# KiCad board EEZ DIB DCP405plus.kicad_pcb (continued)
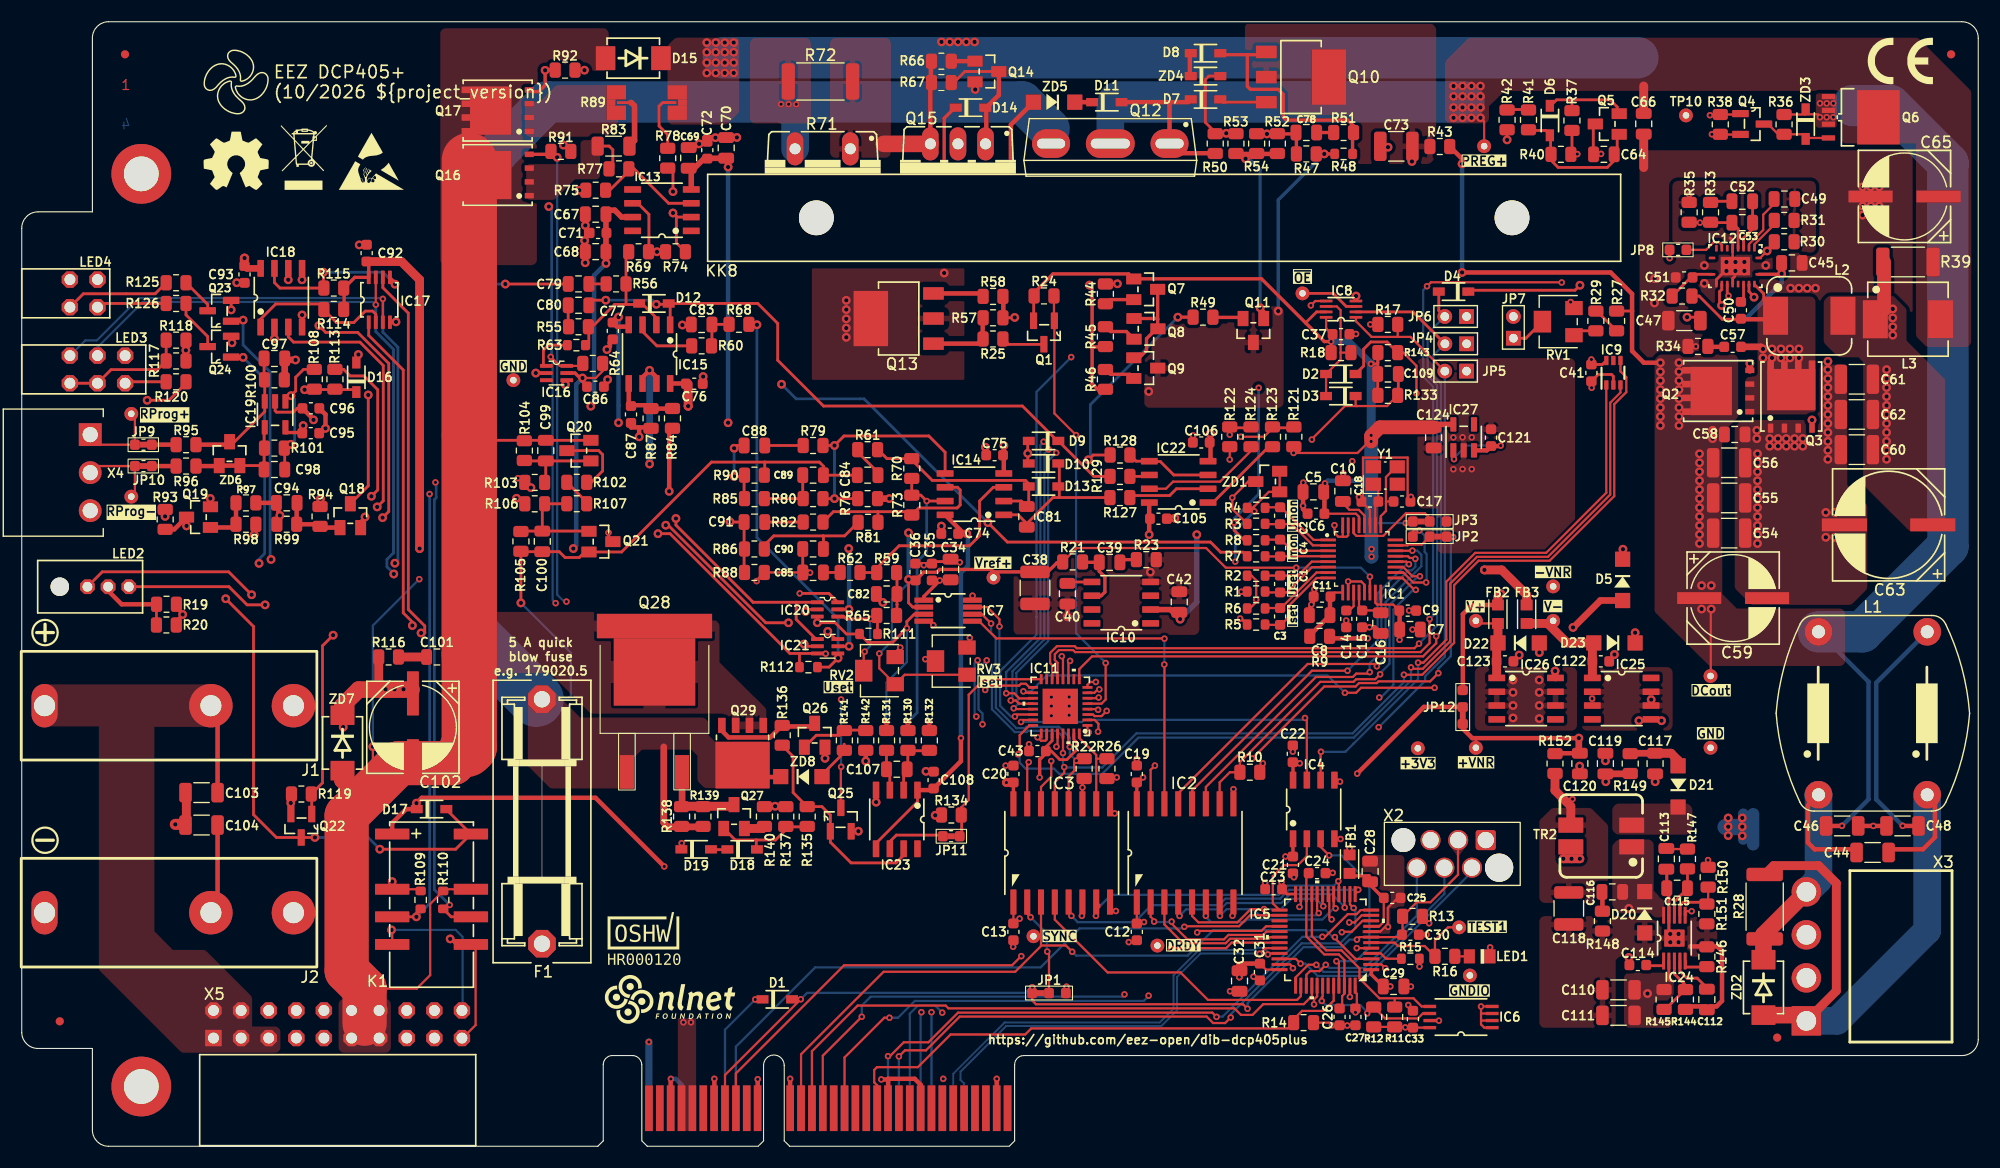
[diagram p0: board, top side]
## Routing (per net, layer and track width the routed paths; a pad name or vN(x,y) marks a point on that pad's centre or on a via; arc(x,y) is an arc through that point) (continued)
  Top w0.813: TR2.3 142.51,31.29 141.06,32.75 141.06,33.8
  In2.Cu w0.203: v2(142.67,31.95) 142.72,31.95 148.33,26.34 v2(155.14,26.34)
Net-(D6-PadC): length 8.3
  Top w0.254: 146.78,95.04 146.78,95.66 146.13,96.31 142.69,96.31 ; 142.69,96.31 141.19,96.31 140.59,95.71 ; 142.69,96.31 142.62,96.25 142.62,95.36
Net-(D7-PadA): length 4.3
  Top w0.254: D7.A 110.52,96.1 Q10.E
Net-(D8-PadA): length 22.3
  Top w0.254: 114.24,100.46 Q10.B
  Top w0.305: 112.75,100.45 112.74,100.46 110.36,100.46 ; 112.75,100.45 112.76,100.46 114.24,100.46 ; 112.75,100.45 112.75,97.56 113.03,97.28 115.6,97.28 116.05,96.82 116.05,94.73 116.34,94.45 121.99,94.45 122.52,93.91 R51.2 122.44,93.22 R48.1
Net-(D8-PadC): length 2
  Top w0.406: 107.46,100.46 107.46,98.5
Net-(D11-PadC): length 1.9
  Top w0.406: 96.55,96.1 D11.C
Net-(D14-PadC): length 28.6
  Top w0.305: v1(84.86,90.09) 84.86,94.62 85.84,95.59
  Top w0.406: ZD5.A 91,94.02 v1(91,90.09)
  In2.Cu w0.406: v1(84.86,80.37) v1(84.86,90.09) v1(91,90.09)
  vias: v1(75.86,77.86) v1(75.86,77.01) v1(75.86,76.16) v1(75.86,75.31) v1(75.86,74.45)
Net-(D18-PadA): length 9.6
  Top w0.254: 67.58,27.32 67.58,28.19 67.58,28.19 ; 67.58,28.19 65.64,28.19 Q27.B ; 67.58,28.19 69.35,28.19 70.3,29.14 70.3,29.4 72.26,29.4
Net-(D18-PadC): length 1.5
  Top w0.254: 63.49,27.3 64.96,27.3 64.98,27.32
Net-(F1-Pad2): length 0.7
  Bottom w0.254: 47.33,18.64 47.33,18.18 47.14,17.99
Net-(IC1-AVDD): length 5.7
  Top w0.203: IC1.9 120.78,50.96 C11.2
  Top w0.406: C11.2 120.36,50.55 C8.1 118.5,47.02 R9.2
Net-(IC1-CAP): length 3.4
  Top w0.203: IC1.28 123.53,58.05 123.01,58.58 122.15,58.58 121.54,59.18
Net-(IC1-M0): length 9.3
  Top w0.203: IC1.30 122.53,56.43 122.79,56.18 125.26,56.18 127.34,58.26 129.1,58.26 129.53,57.83 129.53,57.38
Net-(IC1-REFP): length 3.6
  Top w0.203: IC1.12 123.03,49.6 C15.2 124.81,49.32 C16.1
Net-(IC1-VNCP): length 1.8
  Top w0.203: 122.14,49.31 122.53,49.7 IC1.11
Net-(IC1-XTAL1/CLKIN): length 6.8
  Top w0.203: IC1.25 125.03,58 125.51,58.47 125.51,61.59 126.45,62.53 Y1.3 ; C17.2 125.51,59.34 ; 125.51,59.17 125.51,59.18
Net-(IC1-XTAL2): length 3.9
  Top w0.203: 124.8,59.17 124.53,58.9 IC1.26 ; C18.2 124.8,60.48 Y1.1
Net-(IC1-~{CS}): length 3.5
  Top w0.203: JP2.COM 128.8,55.38 127.58,55.38 127.51,55.31 IC1.23
Net-(IC1-~{DONE}): length 9.4
  Top w0.203: JP2.NO 127.98,56.58 128.08,56.68 v2(128.59,56.68) ; v2(129.2,51.89) 129.2,51.89 128.01,51.89 127.1,52.81 IC1.18
  Bottom w0.203: v2(129.2,51.89) 129.25,51.94 129.25,54.52 129.07,54.7 129.07,56.2 v2(128.59,56.68)
Net-(IC3-INA): length 9.2
  Top w0.203: JP1.COM 94.51,17.72 94.35,17.88 v2(94.35,17.92) ; v2(92.81,21.08) 92.5,21.39 IC3.2
  Bottom w0.203: v2(94.35,17.92) 94.3,17.97 94.3,19.59 v2(92.81,21.08)
Net-(IC5-PH1-OSC_OUT): length 10.6
  Top w0.203: IC5.6 126.3,18.74 126.61,18.43 129.07,18.43 R16.2 130.02,18.95 131.22,20.15 TP3.1
Net-(IC8A-~{CLR}): length 10.9
  Top w0.203: D3.A D2.A 121.34,72.42 121.34,73.05 ; 121.34,73.05 121.34,76.94 120.98,77.3 IC8.6 ; 121.34,73.05 R18.1
Net-(IC10-TRIM/NR): length 2.5
  Top w0.254: C40.1 96.33,51.94 98.69,51.94
Net-(IC10-VOUT): length 6.2
  Top w0.305: IC10.6 99.31,50.67 99.65,51.01 99.65,52.4 99.13,52.92 C39.1 ; 99.32,53.74 97.62,53.74 97.59,53.71 97.79,53.71
Net-(IC12-BST): length 1.6
  Top w0.254: IC12.17 158.41,78.16 158.16,77.79
Net-(IC12-COMP): length 4.7
  Top w0.254: IC12.4 158.41,83.6 159.24,84.43 C53.2 C52.2
Net-(IC12-ILIM): length 4.3
  Top w0.254: IC12.11 153.79,80.26 ; R32.1 153.55,79.97 C51.1
Net-(IC12-RT): length 3.3
  Top w0.203: R31.2 161.24,84.84 159.41,83.01 IC12.2
Net-(IC12-SS_TRK): length 5.5
  Top w0.203: C49.1 161.22,86.75 160.22,85.75 160.22,84.34 158.91,83.03 IC12.3
Net-(IC12-SYNCIN): length 4
  Top w0.203: JP8.2 154.96,82.51 155.66,83.21 156.15,83.21 156.41,82.96 IC12.8
Net-(IC13A-+IN): length 10.1
  Top w0.254: 53.75,87.99 54.09,87.99 55.89,89.79 55.89,89.96 56.34,89.96 59.51,86.79 IC13.3
Net-(IC13A--IN): length 10.5
  Top w0.254: 59.91,90.15 59.91,87.87 v1(59.91,87.87) ; 59.91,90.15 59.79,90.15 ; 59.91,90.15 59.66,90.15 59.66,90.15 ; IC13.2 60.29,85.52 v1(59.91,85.9) 60.22,85.59 60.22,83.16 R74.1
  In2.Cu w0.254: v1(59.91,85.9) v1(59.91,87.87)
Net-(IC14A-+IN): length 18.6
  Top w0.254: R62.2 77.13,52.8 R59.2 78.66,53.21 80.72,55.27 87.19,55.27 88.12,56.19 88.12,59.39 89.38,60.65 90.34,60.65 IC14.3
Net-(IC14A--IN): length 19.7
  Top w0.254: 78.77,64.12 79.36,63.53 79.6,63.29 R70.2 81.88,63.17 83.77,61.28 92.34,61.28 92.65,60.98 D13.C 92.65,59.07 C81.1 91.96,59.38 IC14.2 90.34,59.38
Net-(IC14B-+IN): length 22.1
  Top w0.254: 73.75,64.5 v1(74.77,64.5) 75.65,65.37 83.45,65.37 84.95,63.88 IC14.5 ; 76.87,59.61 76.87,59.61 v1(74.77,59.61) 73.75,59.61
  Bottom w0.254: v1(74.77,64.5) v1(74.77,59.61)
Net-(IC14B--IN): length 17.4
  Top w0.254: R81.1 78.77,58.38 78.75,58.41 ; 78.75,58.41 74.67,58.41 R82.2 ; 78.75,58.41 81.58,58.41 R73.2 82.53,58.74 86.06,58.74 86.34,59.02 86.34,60.4 86.08,60.65 IC14.6
Net-(IC15A-+IN): length 5.7
  Top w0.254: 61.6,73.67 58.43,73.67 57.11,74.99 57.11,75.6 IC15.3
Net-(IC15A--IN): length 15.1
  Top w0.254: 52.17,73.46 52.17,75.43 52.49,75.43 54.54,77.48 55.57,77.48 ; IC15.2 58.38,76.24 57.15,77.48 55.57,77.48 ; 55.57,77.48 55.59,77.5 R56.2 55.59,82.08 R69.2
Net-(IC15B-+IN): length 6
  Top w0.406: IC15.5 55.84,68.41 56.05,68.2 57.63,68.2 57.94,67.89 59.58,67.89 59.87,67.94
Net-(IC16-NO): length 3.6
  Top w0.254: 50,73.73 48.46,73.73 47.99,73.27 47.99,71.83 47.99,71.83
Net-(IC17A-I1): length 14.2
  Top w0.254: 21.98,75.4 21.98,76.13 23.37,77.53 27.75,77.53 ; 27.76,77.02 28.96,75.81 30.55,75.81 31.6,76.87 32.29,76.87 32.57,76.58 IC17.2
  Top w0.305: 27.76,77.02 27.76,77.52 27.75,77.53 ; 21.98,75.4 IC18.1
Net-(IC17A-O): length 99.4
  Top w0.203: v2(32.57,77.46) IC17.7
  Top w0.254: v2(71.57,50.89) 74.26,50.89 IC20.6 74.91,50.07
  In2.Cu w0.254: v2(71.57,50.89) 69.27,53.19 34.95,53.19 34.44,52.67 v1(34.23,52.67)
  In2.Cu w0.813: 6.97,72.77 6.99,72.74
  Bottom w0.203: v2(32.57,77.46) 32.32,77.71 11.14,77.71 6.97,73.54 LED3.GA
  Bottom w0.254: 34.44,52.67 v1(34.23,52.67) 34.23,52.7 33.6,53.33 33.6,54.01 34.2,54.61 34.2,73.35 32.57,74.98 v2(32.57,77.46)
Net-(IC17B-I0): length 15.7
  Top w0.254: v1(27.75,80.45) 27.75,78.99 27.76,78.99 23.75,78.99 23.25,79.5 23.25,80.19 ; IC17.5 34.34,79.5 v1(34.34,79.35)
  Top w0.305: IC18.7 23.25,80.79 23.25,80.19 ; 27.76,78.99 28.14,78.99
  Bottom w0.254: v1(34.34,79.35) 33.24,80.45 v1(27.75,80.45)
Net-(IC17B-O): length 103.1
  Top w0.203: IC17.3 v2(33.22,77.99)
  Top w0.254: v1(74.16,47.39) 74.87,46.68 IC21.6
  In2.Cu w0.254: v1(74.16,47.39) 74.16,49.64 70.13,53.66 v1(34.33,53.66)
  Bottom w0.203: v2(33.22,77.99) 33.14,78.07 10.8,78.07 6.9,74.17 5.85,74.17 4.45,72.77 LED3.RA
  Bottom w0.254: v1(34.33,53.66) 34.61,53.94 34.61,73.53 33.22,74.92 v2(33.22,77.99)
Net-(IC18B--IN): length 19
  Top w0.254: IC18.2 23.25,74.33 v1(23.25,74.33) ; v1(24.52,79.75) 24.52,79.75 IC18.6 ; v1(26.02,69.63) 26.04,69.64 30.76,69.64 30.98,69.42
  In2.Cu w0.254: v1(26.02,69.63) 23.25,72.41 v1(23.25,74.33) 23.25,78.49 24.5,79.75 v1(24.52,79.75)
Net-(IC19A-+IN): length 12.5
  Top w0.254: C97.2 22.3,70.54 22.36,70.48 IC19.3 22.36,67.62 19.58,64.85 ZD6.3
  Top w0.406: 16.07,64.57 18.84,64.57 ZD6.3
Net-(IC19A--IN): length 10.1
  Top w0.254: 21.94,62.65 C98.2 ; 21.94,62.65 ZD6.2 ; 21.94,62.65 22.3,63.01 22.3,66.11 IC19.4
  Top w0.406: ZD6.2 ZD6.1 18.13,62.6 16.07,62.6
Net-(IC19A-OUT): length 12.3
  Top w0.254: R108.2 25.93,71.51 25.2,70.77 25.2,69.51 v1(24.77,69.08) 24.26,69.08 24.26,69.08 IC19.1 ; v1(24.76,64.61) 24.55,64.61 24.2,64.26 C98.1
  Bottom w0.254: v1(24.77,69.08) 25.1,68.75 25.1,64.95 v1(24.76,64.61)
Net-(IC22B-+IN): length 7.9
  Top w0.254: R128.1 102.52,63.05 IC22.5 103.77,63.02 104.75,63.02 105.99,61.78 IC22.3
Net-(IC22B--IN): length 7.5
  Top w0.254: IC22.2 106.23,60.51 105.6,59.89 102.13,59.89 101.94,59.7
Net-(IC22B-OUT): length 8
  Top w0.254: 115.08,64.26 114.6,64.26 109.59,59.24 IC22.1
Net-(IC22C--IN): length 1.8
  Top w0.254: R129.2 103.61,61.65 IC22.6
Net-(IC22C-OUT): length 11.1
  Top w0.203: 103.75,60.52 105.27,60.52 105.92,61.17 110.25,61.17 113.1,64.02 113.1,64.26
  Top w0.254: 103.75,60.52 IC22.7
Net-(IC23-+IN): length 6.4
  Top w0.254: 81.52,36.73 81.52,34.77 C107.1 81.14,34.38 ; 83.5,36.4 81.53,36.4 ; IC23.2 81.14,34.65
Net-(IC23--IN): length 4.4
  Top w0.254: 79.55,36.73 79.55,34.7 C107.2 79.87,34.39 ; IC23.3 79.87,34.66
Net-(IC23-OUT): length 19.9
  Top w0.254: 81.14,27.38 IC23.7 81.14,26.79 80.43,26.08 76.3,26.08 74.39,27.99 Q25.1 74.39,30.48 73.61,31.26 R135.2 70.97,32.56 70.97,35.87 69.97,36.88
Net-(IC23-~{SHDN}): length 5.7
  Top w0.254: 79.87,27.39 IC23.6 79.86,27.39 79.86,28.04 80.46,28.64 84.47,28.64 84.57,28.53
Net-(IC24-BOOT): length 2
  Top w0.254: 149.53,16.68 149.59,16.62 151.03,16.62 151.05,16.64 IC24.1
Net-(IC24-COMP): length 4.7
  Top w0.254: IC24.8 152.05,22.51 153.24,23.71 153.24,25.49 153.25,25.49
Net-(IC24-EN): length 5.9
  Top w0.254: 151.09,12.56 151.03,12.68 151.29,12.68 153.06,14.46 152.93,14.97 152.05,15.86 IC24.3
Net-(IC24-PH): length 5.2
  Top w0.254: v1(147.85,17.38) 147.83,17.36 147.83,16.68
  In2.Cu w0.813: v1(147.85,17.38) v1(147.85,21.89)
Net-(IC24-RT/CLK): length 2.5
  Top w0.254: 155.03,16.49 153.06,16.49 153.06,16.49 153.06,17.02 IC24.5
Net-(IC24-SS/TR): length 4.2
  Top w0.254: C112.1 155.03,14.59 154.14,15.48 153.19,15.48 152.55,16.11 IC24.4
Net-(IC24-VSENSE): length 5.1
  Top w0.203: R151.1 155.15,22.42 R150.2
  Top w0.254: IC24.7 152.55,22.14 152.87,22.46 154.9,22.46 155.03,22.33
Net-(IC25-Vout): length 10.4
  Top w0.203: 140.38,48.12 140.62,48.36 TP17.1 ; 140.89,48.14 140.92,48.12
  Top w0.813: C122.2 144.5,46.2 D23.A 142.17,46.33 140.38,48.12 FB3.1 ; 144.5,43.23 144.5,44.34 144.51,44.35
Net-(IC26-Vout): length 6.8
  Top w0.203: FB2.1 134.27,48.12 134.03,48.36
  Top w0.813: FB2.1 135.81,48.11 D22.C 135.69,46.2 C123.1 135.69,43.23
Net-(JP7-Pad1): length 3.3
  Top w0.254: JP7.1 138.38,74.37 RV1.2
Net-(JP9-Pad2): length 2
  Top w0.406: 12.13,64.57 14.17,64.57
Net-(JP10-Pad2): length 2
  Top w0.406: 12.13,62.6 14.17,62.6
Net-(K1A-C2): length 72.1
  Top w0.254: D17.A 39.06,31 K1.12 39.93,27.34 v1(32.94,27.34) ; v1(18.77,50.39) 21.32,47.84 21.32,30.53 23.43,28.42 Q22.3 v1(26.97,28.42) ; v1(11.54,68.66) 13.54,68.66 15.11,70.23 R120.1
  In2.Cu w0.254: v1(11.54,68.66) 11.54,56.83 17.98,50.39 v1(18.77,50.39)
  Bottom w0.254: v1(32.94,27.34) 31.86,28.42 v1(26.97,28.42)
Net-(LED1-PadA): length 1.3
  Top w0.203: R16.1 LED1.A
Net-(LED2-C): length 7.3
  Top w0.254: R19.1 12.39,49.87 R20.1
  Top w0.406: R19.1 9.19,49.88 7.94,51.13 LED2.CC
Net-(LED3-PadGC): length 11.6
  Top w0.254: LED3.RC LED3.GC 8.22,71.48 12.49,71.48 R117.2 R118.2
Net-(LED3-PadYC): length 3.8
  Top w0.254: LED3.YC 9.64,70.36 R120.2
Net-(LED4A-C): length 6.5
  Top w0.254: 6.97,77.23 7.31,77.57 R126.1
Net-(LED4B-C): length 9.8
  Top w0.254: R125.2 12.27,78.46 5.66,78.46 4.43,77.23
Net-(Q1-D): length 3.9
  Top w0.254: 94.04,73.81 90.8,73.81 90.3,74.3
Net-(Q4-D): length 6.5
  Top w0.203: Q4.3 160.65,94.08 161.59,93.14 R36.1 164.01,93.14 164.34,92.8 Q6.4
Net-(Q7-PadC): length 9.8
  Top w0.305: Q7.C 104.5,76.12 ; 104.5,76.12 104.44,76.19 Q8.B ; 104.5,76.12 104.5,75.26 Q8.C 104.39,75.24 103.48,74.33 103.48,73.25 102.8,72.57 Q9.B
Net-(Q7-PadE): length 2.8
  Top w0.305: Q7.E 100.11,77.92 99.7,77.5
Net-(Q8-PadE): length 3.1
  Top w0.305: 99.7,75.47 100.18,74.99 101.63,74.99 Q8.E
Net-(Q9-PadE): length 3
  Top w0.305: Q9.E 101.93,71.05 100.18,71.05 99.7,71.53
Net-(Q11-PadB): length 19.7
  Top w0.305: Q11.B 114.26,76.84 v1(113.93,77.17)
  Top w0.406: 111.58,91.33 115.51,91.33
  Bottom w0.305: v1(113.93,77.17) 113.93,89.87 112.59,91.21
  vias: v1(112.59,90.89)
Net-(Q11-PadE): length 2.8
  Top w0.305: 109.61,76.29 109.62,76.31 109.64,76.29 112.24,76.29
  Top w0.406: 112.24,76.29 Q11.E
Net-(Q12-G): length 14.7
  Top w0.406: D7.C 107.3,96.1 105.61,96.1 ; 105.61,96.1 D11.A ; 105.61,96.1 105.6,96.09 105.6,92.51 106.71,91.4 109.77,91.4 R50.1
Net-(Q13-PadE): length 4.6
  Top w0.406: Q13.E 88.13,78.49 88.41,78.22
Net-(Q14-PadB): length 2.1
  Top w0.406: Q14.B 85.95,99.87 85.56,99.87
Net-(Q15-G): length 11.9
  Top w0.254: 85.56,97.9 85.76,97.9 86.77,98.92 Q14.C
  Top w0.406: Q15.1 88.74,92.33 88.74,95.59 89.9,96.75 Q14.C
Net-(Q15-S): length 12.8
  Top w0.406: Q15.3 83.59,97.43 83.66,97.9 83.63,97.47 83.66,99.87
  Top w1.524: Q15.3 79.3,92.26
Net-(Q16-S-Pad1): length 3.6
  Top w0.254: 53.99,89.96 54.24,89.96 54.38,90.1 54.38,91.71 54.04,92.06 53.03,92.06 53.02,92.05
Net-(Q19-PadB): length 4.2
  Top w0.406: R97.1 R98.2 ; Q19.B 19.57,56.96
Net-(Q20-PadC): length 6.8
  Top w0.254: Q20.C 53.07,64.03 53.44,63.66 53.44,62.15 52.4,61.11 R102.1
Net-(Q23-D): length 3.4
  Top w0.254: Q23.3 17.11,77.48 R125.1
Net-(Q24-D): length 4.8
  Top w0.254: Q24.3 17.11,74.52 15.11,76.52 R126.2
Net-(Q26-PadB): length 6.3
  Top w0.254: 75.68,38.3 77.65,38.3 ; Q26.B 73.1,37.83 75.24,37.83 R141.1
Net-(Q27-PadE): length 1.9
  Top w0.813: Q27.E 68.18,29.25 68.33,29.4
Net-(Q28-G): length 7.7
  Top w0.254: 65.38,31.3 Q27.C
  Top w0.61: 60.75,34.05 60.75,31.34 60.71,31.3
  Top w0.813: 60.71,31.3 65.38,31.3 ; Q27.C 65.57,31.48
Net-(Q29-G): length 10.3
  Top w0.254: 69.96,38.73 69.97,38.78
  Top w0.406: Q29.4 64.41,38.25 65.03,37.63 68.86,37.63 R136.1 ; 69.88,38.69 69.97,38.78 70.1,38.64 72.99,38.64 72.95,38.68 Q26.C
Net-(R27-Pad1): length 2.7
  Top w0.254: R29.2 144.9,76.88 R27.1
Net-(R29-Pad1): length 2.2
  Top w0.254: R29.1 143.21,75.05 RV1.1
Net-(R41-Pad2): length 2
  Top w0.254: 138.62,95.42 136.65,95.42
Net-(R78-Pad1): length 5.6
  Top w0.254: R78.1 59.43,93.1 58.64,93.9 58.64,95.73 58.96,96.06 59.91,96.06
Net-(R83-Pad1): length 4.4
  Top w0.508: 55.87,92.05 56.38,92.56 56.38,95.76 56.08,96.06 56,96.06
Net-(R102-Pad2): length 2.7
  Top w0.254: R102.2 51.97,59.28 R107.1
Net-(R141-Pad2): length 4.1
  Top w0.254: 75.67,37.01 75.67,36.25 73.4,33.98 73.27,33.98
Net-(TP12-P$1): length 7.5
  Top w0.203: TP12.1 10.41,67.08 JP9.1 7.23,64.57 X4.1
Net-(TP13-P$1): length 7.3
  Top w0.203: X4.2 6.9,62.6 JP10.1 10.41,60.12 TP13.1

## Copper pours and planes (outline as drawn; the poured copper is in the pictures)
-12V on Top: 143.5,44.1 151.88,44.1 151.88,38.26 143.5,38.26
/Power pre-regulator/AGND on Top: 151.86,88.86 165.07,88.86 165.07,82.25 151.86,82.25
GND on Top: 130.2,54.58 130.2,58.7 128.4,58.7 128.4,72.55 142.91,72.55 142.91,54.58
GND on Top: 155.98,17.44 146.95,17.44 146.65,17.14 146.65,10.9 139.62,10.9 139.62,21.18 155.98,21.19
GND on Top: 108.33,47.06 91.24,47.06 91.24,55.24 108.33,55.24
GND on Top: 133.69,44.1 143.08,44.1 143.08,38.26 133.69,38.26
GND on Bottom: 148.24,103.51 148.24,50.42 153.14,45.52 153.14,40.32 157.4,36.06 157.4,8.23 139.62,8.17 139.63,32.92 114.96,32.92 112.11,30.07 90.6,30.07 83.82,23.29 41.22,23.29 30.71,33.8 30.71,47.88 27.02,51.57 12.83,51.57 11.06,53.33 11.04,63.41 11.04,89.94 11.02,103.4 32.23,103.3 130.38,103.49
GND on In1.Cu: 179.73,7.79 139.6,7.79 139.62,32.92 114.96,32.92 112.11,30.07 90.5,30.07 83.74,23.29 58.09,23.29 48.8,14.01 12.59,14.01 11.04,15.52 11.04,103.55 179.73,103.55
/Power pre-regulator/SW on Top: 165.02,67.35 158.55,67.35 158.55,70.52 159.69,71.66 159.69,77.69 160.21,78.21 165.02,78.21
/Power pre-regulator/SW on Bottom: 165.1,77.43 165.1,67.55 164.9,67.35 158.56,67.35 158.56,70.51 159.71,71.65 159.71,77.43 160.22,77.95 164.58,77.95
/Power pre-regulator/SW on In2.Cu: 165.09,77.44 165.09,67.56 164.88,67.35 158.55,67.35 158.55,70.52 159.69,71.66 159.69,77.44 160.21,77.96 164.57,77.96
/Rsense protection, power output, Rprog/OUTC+ on Top: 23.8,8.61 14.71,8.61 7.1,16.23 7.1,38.64 2.08,38.64 2.14,42.52 17.38,42.52 17.4,38.6 12.2,38.6 12.2,19.8 13.9,18.07 16.87,18.07 21.19,13.75 21.19,11.02 23.8,11.02
/Rsense protection, power output, Rprog/OUTC- on Bottom: 2.21,23.47 20.24,23.47 21,22.71 21,18.64 37,18.64 39.33,16.35 39.33,8.61 34.21,8.61 34.21,13.82 18.21,13.82 12.37,19.66 2.21,19.66
DC_OUT on Top: 157.91,67.11 156.45,65.65 156.45,50.83 157.8,49.49 167.75,49.49 167.75,44.21 155.27,44.21 150.21,49.2 150.23,72.42 150.68,72.88 157.91,72.88
DC_OUT on Top: 160.26,79.48 155.12,79.48 155.12,82.53 160.26,82.53
DC_OUT on Top: 151.98,11.3 151.59,10.9 147.74,10.9 147.41,11.23 147.41,15.98 150.97,15.98 150.97,17.76 151.98,17.76
DC_OUT on Top: 165.06,93.74 166.99,93.74 166.99,96.91 165.06,96.91
DC_OUT on Bottom: 165.06,93.55 170.59,93.55 170.59,96.88 169.78,97.69 165.06,97.69
DC_OUT on Bottom: 159.62,75.87 159.62,49.35 158.53,48.26 151.2,48.26 148.76,50.69 148.76,74.98 150.43,76.64 158.85,76.64
DC_OUT on In2.Cu: 159.79,76.63 159.79,49.78 167.77,49.78 167.77,44.19 155.37,44.19 148.93,50.55 148.93,76.63
DIB_3V3 on Top: 60.36,1.41 62.04,1.41 62.04,11.79 60.36,11.79
DIB_3V3 on In2.Cu: 63.89,10.63 63.89,10.65 59.19,10.65 59.19,14.13 63.99,18.93 85.65,18.93 90.72,24 112.07,24 117.17,29.08 136.05,29.08 136.05,10.59
DIB_GND on Top: 123.3,26.8 127.2,26.8 127.2,21.9 125.9,21.9 125.9,19.4 123.3,19.4
DIB_GND on Bottom, In1.Cu: 91.85,8.48 91.85,1.45 59.19,1.45 59.19,14.09 64.01,18.91 85.67,18.91 90.74,23.98 112.08,23.98 117.19,29.06 136.06,29.06 136.06,8.48
POST_OUT+ on Top: 51.38,39.46 62.78,39.46 63.2,39.04 63.2,37.82 63.78,37.25 64.04,37.25 64.36,36.93 64.36,33.07 64.26,32.97 62.82,32.97 62.16,33.63 62.16,35.95 61.6,36.51 57.06,36.51 56.41,35.86 56.41,33.03 56.31,32.93 48.65,32.93 46.57,35.01 46.57,41.73 47.3,42.47 48.37,42.47
POST_OUT+ on Top: 67,102 72.59,102 72.59,94.13 67,94.13
POST_OUT+ on Bottom: 51.72,97.48 43.26,89.02 43.26,87.69 43.45,87.5 38.95,87.5 38.63,87.81 38.63,90.15 46.51,98.03 51.72,98.03
POST_OUT- on Top: 29.15,13.56 33.96,13.56 33.96,8.61 29.15,8.61
POST_OUT- on Top: 54,102.9 54,98.98 47.47,98.98 47.47,96.41 46.09,96.41 46.09,92.5 47.4,92.48 47.4,81.1 38.5,81.1 38.5,102.9
POST_OUT- on Top: 64.2,48.04 64.2,44.53 68.5,40.26 68.5,38.02 64.9,38.02 64.9,39.44 64.51,39.82 52.34,39.82 48.61,43.54 41.38,43.54 41.35,43.52 41.18,43.52 39.68,46.82 39.68,48.02 39.62,49.18 63.12,49.18
PREG_OUT+ on Top: 179.35,97.13 179.35,73.57 175.24,73.57 174.27,74.54 174.27,92.3 167.36,92.3 167.35,97.14 136.42,97.14 134.99,95.71 134.99,94.14 130.95,94.14 130.95,99.84 133.14,102.03 174.45,102.03
PREG_OUT+ on Bottom: 134.71,94.22 131.22,94.22 131.22,98.03 134.71,98.03
PREG_OUT+ on Bottom: 99.7,98 98.75,97.05 98.75,93.37 101.67,93.37 101.67,98
PREG_OUT+ on Bottom: 132.34,98.03 134.76,98.03 134.76,94.22 132.34,94.22
PREG_OUT- on Top: 167.94,60.87 169.79,59.02 169.79,51.3 168.31,49.83 159.13,49.83 157.59,51.36 157.59,66.2 158.24,66.85 164.59,66.85 165.4,67.66 165.4,71.66 165.67,71.93 167.94,71.93
PREG_OUT- on Top: 178.95,72.43 168.02,72.43 166.38,74.07 161.19,74.07 159.55,72.43 149.73,72.43 148.83,73.33 148.83,91.67 178.95,91.67
PREG_OUT- on Top: 66.02,101.83 66.02,95.18 64.86,94.03 59.41,94.03 59.41,101.31 60.13,102.03 65.81,102.03
PREG_OUT- on Bottom: 65.22,102.07 62.43,102.07 62.43,98.32 65.22,98.32
PREG_OUT- on Bottom: 180.29,8.33 157.89,8.38 157.89,36.25 153.63,40.54 153.63,45.86 148.74,50.68 148.74,98.53 147.96,98.53 147.96,103.81 180.37,103.8
PREG_OUT- on In1.Cu: 179.79,44.81 179.86,8.74 157.89,8.74 157.89,36.26 153.63,40.51 153.63,49.52 148.74,54.35 148.74,102.66 180.37,102.66
PREG_OUT- on In2.Cu: 84,102.1 84,101 88.3,101 88.3,102.1
SENSE_PROT on Top: 116.09,67.97 103.26,67.97 103.32,74.75 103.32,75.69 105.55,75.72 110.88,75.72 110.88,77.31 116.09,77.31
Net-(C60-Pad1) on Top: 173.4,77.06 173.4,74.14 176.96,70.58 176.96,56.76 176.82,56.62 173.67,56.62 169.4,60.89 169.4,72.19 168.97,72.62 167.13,72.62 165.78,73.97 165.78,77.82 166.24,78.28 172.19,78.28
Net-(C60-Pad1) on Bottom: 173.58,77.09 173.58,74.17 177.14,70.61 177.14,62.36 169.57,62.36 169.58,72.22 169.15,72.66 167.31,72.66 165.96,74 165.96,77.85 166.42,78.31 172.36,78.31
Net-(C60-Pad1) on In2.Cu: 178.04,76.74 178.04,57.65 177.01,56.62 170.43,56.62 169.4,57.65 169.4,72.19 168.97,72.62 167.13,72.62 165.78,73.97 165.78,77.63 167.13,78.97 175.81,78.97
Net-(C73-Pad1) on Top: 130.12,102.94 130.12,91.03 129.5,90.41 122.88,90.41 122.57,90.75 122.57,94.47 122.25,94.76 112.86,94.76 112.54,95.09 112.54,103.46 129.61,103.46
Net-(C118-Pad1) on Top: 145.95,29.56 145.95,22.4 139.62,22.4 139.62,29.98 140.79,31.14 144.37,31.14
Net-(D14-PadC) on Top, Bottom: 86.72,70.53 72.69,70.53 72.69,80.8 86.72,80.8
Net-(D21-PadC) on Top: 153.7,31.15 153.7,29.08 153.3,28.68 146.72,28.68 146.33,29.08 146.33,31.15 146.72,31.54 153.3,31.54
Net-(F1-Pad2) on In2.Cu: 21.51,11.28 24.1,11.28 24.1,8.61 28.88,8.61 28.88,14.01 48.88,14.01 50.21,15.34 50.21,20.93 43.86,20.93 43.86,18.2 25.13,18.2 21.51,14.58
Net-(IC24-PH) on Top: 150.14,27.91 150.14,23.53 151.16,22.51 151.16,21.06 150.21,21.06 149.83,21.44 146.98,21.44 146.33,22.09 146.33,27.72 146.85,28.24 149.81,28.24
Net-(Q15-S) on Top: 74.37,102 79.96,102 79.96,90.98 74.37,90.98
Net-(Q16-S-Pad1) on Top: 46.4,90.4 51.4,90.4 51.4,92.6 53.2,92.6 53.2,89 50.9,89 49,87.1 46.4,87.1
Net-(Q17-S-Pad1) on Top: 54.84,93.95 53.8,92.91 46.32,92.91 46.32,96.13 47.62,96.13 49.15,97.66 54.84,97.66

Small or netless copper shapes (teardrops, artwork), in the pictures only: 1 on Top, 3 on Bottom

## Text on the board
Bottom: 4
B.Silkscreen: EEZ DCP405+ (06/2026 ${project_version})
User.Drawings: Beveling area
Top: 1
F.Silkscreen: https://github.com/eez-open/dib-dcp405plus | 5 A quick / blow fuse / e.g. 179020.5 | EEZ DCP405+ / (10/2026 ${project_version}) | HR000120
In1.Cu: 2
In2.Cu: 3
